# Altium PCB PCB1.PcbDoc
Units mil, origin at the board's own origin, x right, y up, seen from the top; angles counter-clockwise.
Board outline 2620 x 1745 mil, 2 copper layers (Top Layer, Bottom Layer); 36 components, 47 nets, 171 pads, 42 vias.
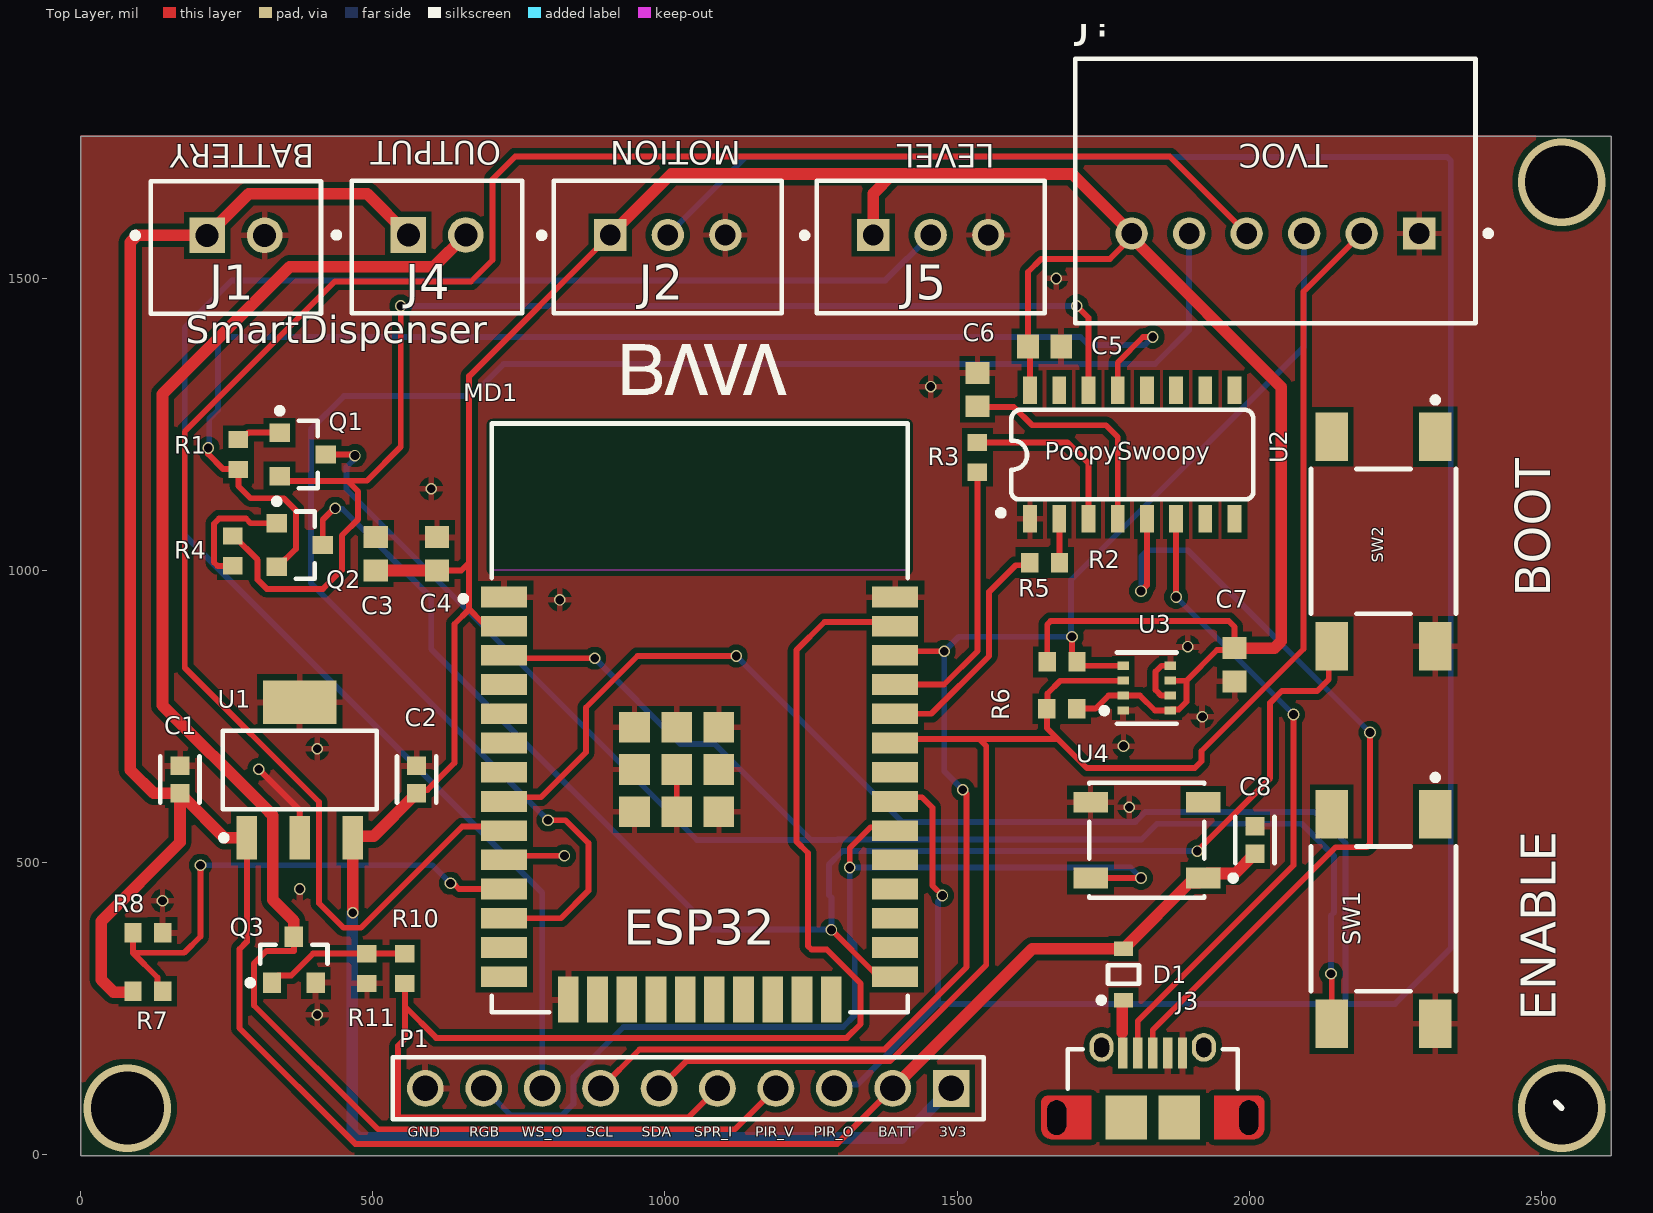
[diagram p0: Top Layer view]
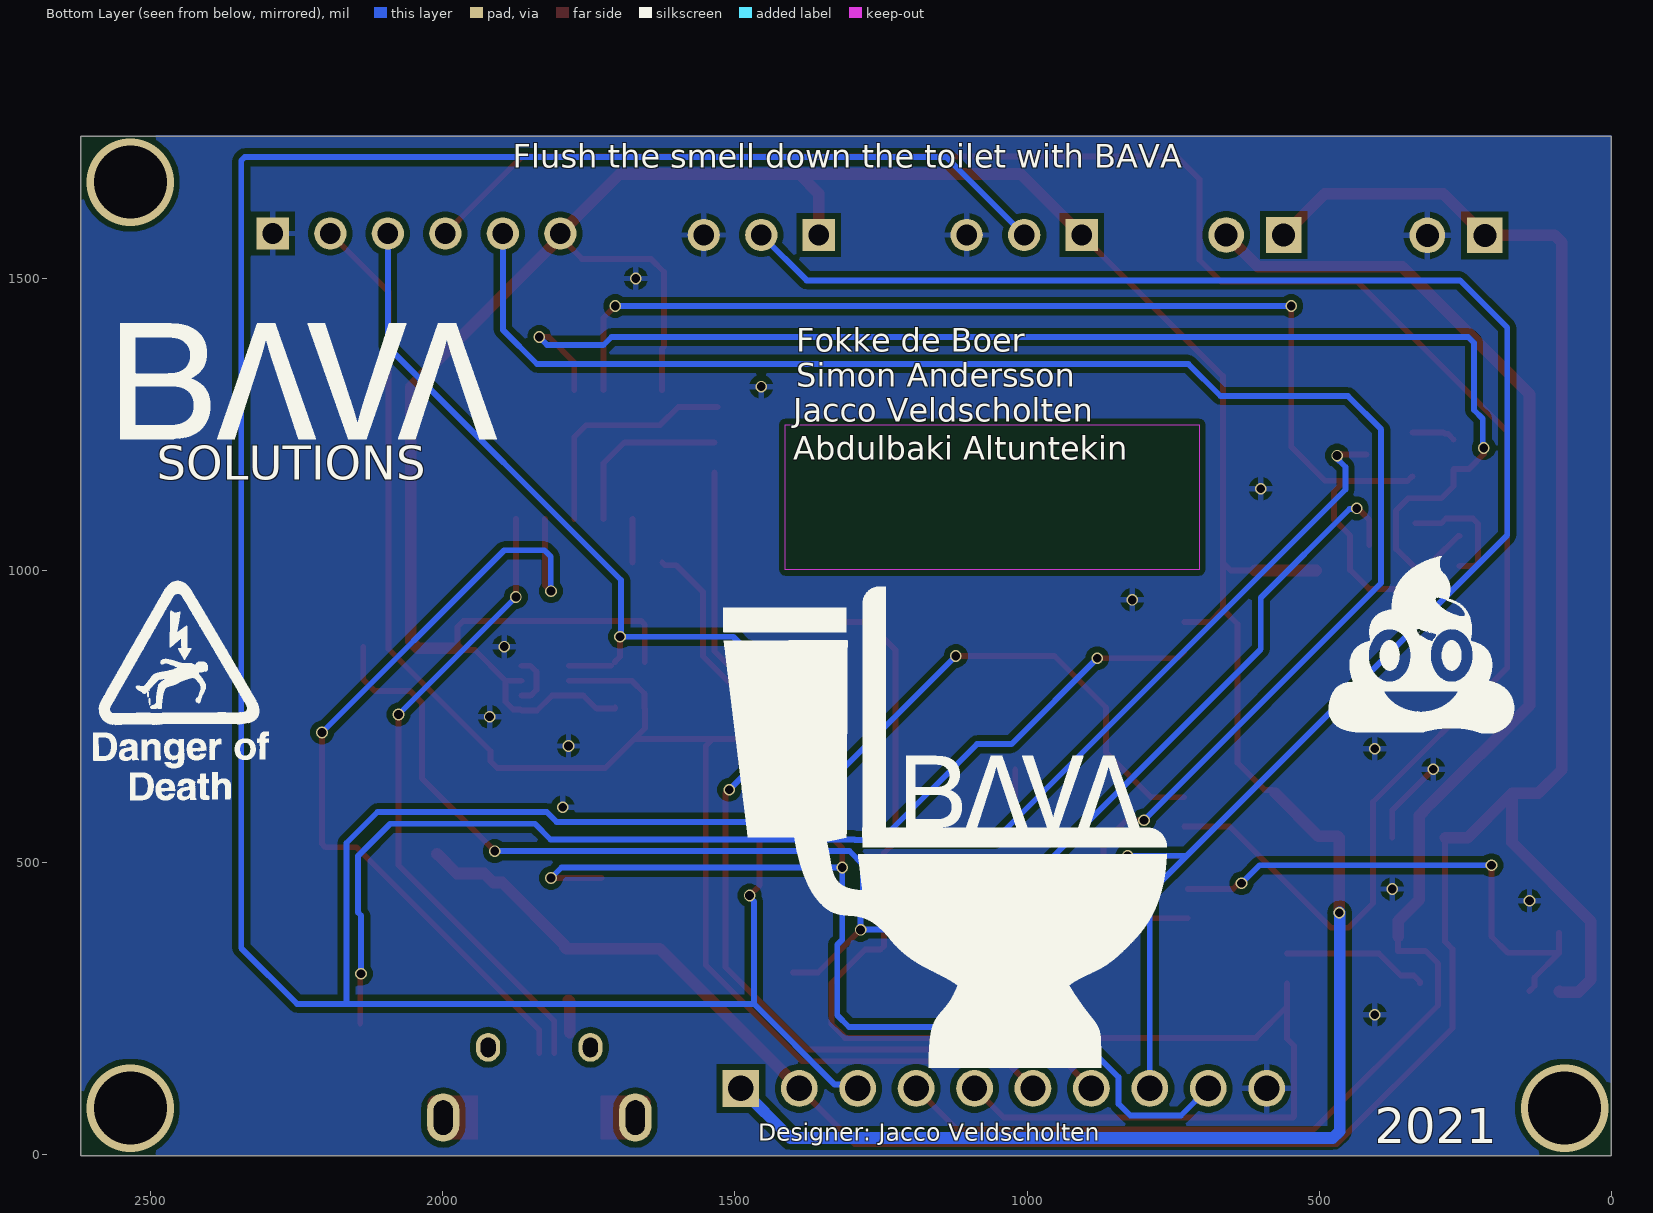
[diagram p1: Bottom Layer view, seen from below]
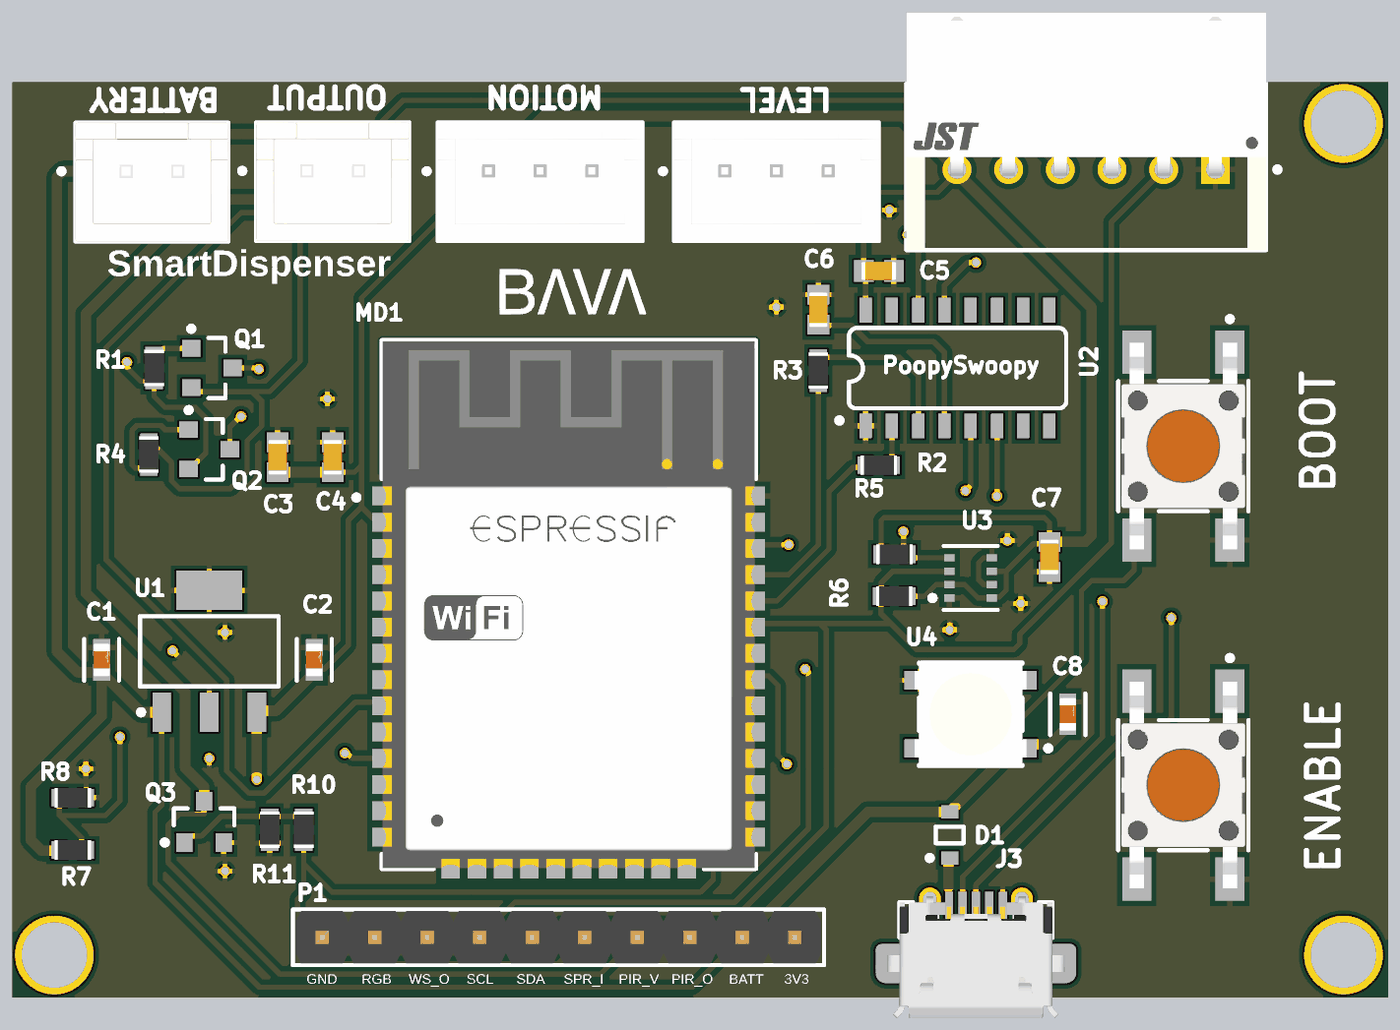
[diagram p2: 3D render of the assembled board from above, using the file's embedded part models]

## Layer stack, top to bottom
Top Solder: solder mask 0.4, Solder Resist, Dk 3.5
Top Layer: signal copper 1.4
Dielectric 1: dielectric 12.6, FR-4, Dk 4.8
Bottom Layer: signal copper 1.4
Bottom Solder: solder mask 0.4, Solder Resist, Dk 3.5

## Board outline
0,-1.14 2620,-1.14 2620,1743.86 0,1743.86

## Design rules (kind name [scope] priority, off if disabled: settings)
Clearance Clearance_1 [All] p1: gap=10 ignorepadtopadclearanceinfootprint=FALSE except(0: Arc-Hole Track-Hole SMDPad-Hole THPad-Hole Via-Hole Fill-Hole Poly-Hole Region-Hole Text-Hole)
Clearance [All] p2: gap=10 ignorepadtopadclearanceinfootprint=FALSE except(0: Arc-Hole Track-Hole SMDPad-Hole THPad-Hole Via-Hole Fill-Hole Poly-Hole Region-Hole Text-Hole)
PolygonConnect [All] p1: connectstyle=Relief reliefconductorwidth=10 reliefentries=4 polygonreliefangle="90 Angle" airgapwidth=10
RoomDefinition PCB [InComponentClass('PCB')] p1: confinementstyle=ConfineIn formatcopy=TRUE lockcomponents=FALSE outline 0,0 2450,0 2450,1745 0,1745
RoutingVias [All] p1: holewidth=28 width=50 viastyle="Through Hole" minholewidth=28 minwidth=50 maxholewidth=28 maxwidth=50
SolderMaskExpansion [All] p1: expansion=4 istentingtop=FALSE
Width [All] p1: maxlimit=30 minlimit=10 preferedwidth=10 minimp=50.000000 maximp=50.000000 favimp=50.000000
30 further rules are at their usual default settings.

## Components (designator, comment, footprint, x,y, rotation, side; value= is the part's Value field where it differs from the comment)
C1 "10uF" FP-GRM188-0_1-e0_2_0_55-IPC_C 170,642.55 r90 top
C2 "10uF" FP-GRM188-0_1-e0_2_0_55-IPC_C 575,642.55 r90 top
C3 "100nF" CAPC1608X90X35ML10T15 505,1028.86 r270 top
C4 "100nF" CAPC1608X90X35ML10T15 610,1028.86 r270 top
C5 "100nF" CAPC1608X90X35ML10T15 1650,1383.86 r180 top
C6 "100nF" CAPC1608X90X35ML10T15 1535,1310 r270 top
C7 "100nF" CAPC1608X90X35ML10T15 1975,838.86 r90 top
C8 "10uF" FP-GRM188-0_1-e0_2_0_55-IPC_C 2010,538.86 r90 top
D1 "BAT54HT1G" ONSC-SOD-323-2-477-02_V 1785,308.86 r90 top
J1 "B2B-XH-A(LF)(SN)" FP-B2B-XH-A_LF_SN-MFG 265.79,1553.19 r0 top
J2 "B3B-XH-A(LF)(SN)" FP-B3B-XH-A_LF_SN-MFG 1005,1553.86 r0 top
J3 "629105150921" 629105150921 1835,63.86 r0 top
J4 "B2B-XH-A(LF)(SN)" FP-B2B-XH-A_LF_SN-MFG 610,1553.86 r0 top
J5 "B3B-XH-A(LF)(SN)" FP-B3B-XH-A_LF_SN-MFG 1455,1553.86 r0 top
J? "S6B-XH-A-1(LF)(SN)" FP-S6B-XH-A-1_LF_SN-MFG 2045,1650 r0 top
MD1 "ESP32-WROOM-32D" FP-ESP32-WROOM-32D-MFG 1059.65,747.91 r0 top
P1 "61301011121" 61301011121 1040,113.86 r180 top
Q1 "NPN" ONSC-SOT-23-3-318-08_V 380,1198.86 r0 top
Q2 "NPN" ONSC-SOT-23-3-318-08_V 375,1043.86 r0 top
Q3 "MMBT2222ALT1G" ONSC-SOT-23-3-318-08_V 365,333.86 r90 top
R1 "10K" RESC1609X55X30LL15T15 270,1198.86 r270 top
R2 "470" RESC1609X55X30LL15T15 1650,1013.86 r180 top
R3 "470" RESC1609X55X30LL15T15 1535,1193.86 r270 top
R4 "10K" RESC1609X55X30LL15T15 260,1033.86 r90 top
R5 "10K" RESC1609X55X30LL15T15 1680,843.86 r180 top
R6 "10K" RESC1609X55X30LL15T15 1679.41,763.86 r0 top
R7 "10K" RESC1609X55X30LL15T15 115,280 r180 top
R8 "10K" RESC1609X55X30LL15T15 115,380 r0 top
R10 "1K" RESC1609X55X30LL15T15 555,318.86 r270 top
R11 "10K" RESC1609X55X30LL15T15 490,318.86 r90 top
SW1 "1571527-2" FP-1571527-2-MFG 2230,403.86 r0 top
SW2 "1571527-2" FP-1571527-2-MFG 2230,1050 r0 top
U1 "TC1262-3.3VDBTR" SOT-223-DB3_L 375,658.86 r90 top
U2 "CH340C" SO016 1800,1198.86 r0 top
U3 "BME280" FP-BME280-MFG 1825,798.86 r180 top
U4 "1655" ADA-RGB-1655_V 1825,538.86 r180 top

## Footprints (in the part's own frame and the unit in brackets; to place one, negate y for a bottom-side part, rotate by r counter-clockwise, add the part's x,y. Pads: shape width x height; smd on the part's side, far side on the other; paste and mask are expansions set on the pad)
61301011121 [mm] "Pin Header, pitch 2.54 mm, THT, Vertical, single row, 10p"
  rect 1.6x1.6 hole 1.1: 1(-11.43,0)
  round 1.6 hole 1.1: 2(-8.89,0) 3(-6.35,0) 4(-3.81,0) 5(-1.27,0) 6(1.27,0) 7(3.81,0) 8(6.35,0) 9(8.89,0) 10(11.43,0)
  silkscreen extent -12.85,-1.34 12.85,1.34, body extent -12.7,-1.27 12.7,1.27, height 8.57
629105150921 [mm] "Micro USB 2.0 Type AB Horizontal"
  rect 0.4x1.35 smd: 1(-1.3,2.805) 2(-0.65,2.805) 3(0,2.805) 4(0.65,2.805) 5(1.3,2.805)
  round 0 / inner oval 1.4x2.1 / far side oval 1.4x2.1 hole 0.825 slot 1.5 at 90 deg mask+0.102: Shell(-4.175,0)
  oval 1.05x1.25 hole 0.65 slot 0.85 at 90 deg: Shell(-2.225,3.055) Shell(2.225,3.055)
  rect 1.8x1.9 smd: Shell(-1.15,0) Shell(1.15,0)
  round 0 / inner round 0 / far side oval 1.4x2.1 hole 0.825 slot 1.5 at 90 deg mask+0.102: Shell(4.175,0)
  Top Layer region: 4.353,-0.95 4.544,-0.912 4.706,-0.804 4.814,-0.641 4.852,-0.45 4.852,-0.45 4.852,0.65 4.83,0.765 4.765,0.862 4.667,0.927 4.553,0.95 4.553,0.95 2.668,0.95 2.668,-0.95
  Top Layer region: -4.353,-0.95 -4.544,-0.912 -4.706,-0.804 -4.814,-0.641 -4.852,-0.45 -4.852,-0.45 -4.852,0.65 -4.83,0.765 -4.765,0.862 -4.667,0.927 -4.553,0.95 -4.553,0.95 -2.668,0.95 -2.668,-0.95
  silkscreen extent -3.7,1.25 3.7,2.97, body extent -4.3,-2.64 4.3,3.23, height 2.76
ADA-RGB-1655_V [mm] "SMD, 4-Leads, Body 5x5mm"
  rect 1.5x0.9 smd: 1(-2.45,1.65) 2(-2.45,-1.65) 3(2.45,-1.65) 4(2.45,1.65)
  silkscreen extent -3.88,-2.5 2.5,2.5, body extent -2.7,-2.5 2.7,2.5, height 1.68
CAPC1608X90X35ML10T15 [mm] "Chip Capacitor, 2-Leads, Body 1.7x0.9mm, IPC Low Density"
  rect 0.95x1.05 smd: 1(-0.725,0) 2(0.725,0)
  body extent -0.85,-0.45 0.85,0.45, height 0.9
FP-1571527-2-MFG [mm]
  rect 1.4x2.1 smd paste+0 mask+0: 1(2.25,4.55) 2(2.25,-4.55) 3(-2.25,4.55) 4(-2.25,-4.55)
  silkscreen extent -3.15,-3.15 3.15,6.27, body extent -3.25,-5.7 3.25,5.7, height 0.25
FP-B2B-XH-A_LF_SN-MFG [mm]
  rect 1.55x1.55 hole 1 paste-1000 mask+0: 1(-1.25,0.525)
  round 1.55 hole 1 paste-1000 mask+0: 2(1.25,0.525)
  silkscreen extent -4.5,-2.87 3.7,2.88, body extent -3.8,-2.98 3.8,2.98, height 0.25
FP-B3B-XH-A_LF_SN-MFG [mm]
  rect 1.4x1.4 hole 0.9 paste-1000 mask+0: 1(-2.5,0.525)
  round 1.4 hole 0.9 paste-1000 mask+0: 2(0,0.525) 3(2.5,0.525)
  silkscreen extent -5.61,-2.87 4.95,2.88, body extent -5.05,-2.98 5.05,2.98, height 0.25
FP-BME280-MFG [mm]
  rect 0.5x0.35 smd paste+0 mask+0: 1(1.025,0.975) 2(1.025,0.325) 3(1.025,-0.325) 4(1.025,-0.975) 5(-1.025,-0.975) 6(-1.025,-0.325) 7(-1.025,0.325) 8(-1.025,0.975)
  silkscreen extent -1.3,-1.55 1.97,1.55
FP-ESP32-WROOM-32D-MFG [mm]
  rect 2x0.9 smd paste+0 mask+0: 1(-8.5,5.26) 2(-8.5,3.99) 3(-8.5,2.72) 4(-8.5,1.45) 5(-8.5,0.18) 6(-8.5,-1.09) 7(-8.5,-2.36) 8(-8.5,-3.63) 9(-8.5,-4.9) 10(-8.5,-6.17) 11(-8.5,-7.44) 12(-8.5,-8.71) 13(-8.5,-9.98) 14(-8.5,-11.25) 25(8.5,-11.25) 26(8.5,-9.98) 27(8.5,-8.71) 28(8.5,-7.44) 29(8.5,-6.17) 30(8.5,-4.9) 31(8.5,-3.63) 32(8.5,-2.36) 33(8.5,-1.09) 34(8.5,0.18) 35(8.5,1.45) 36(8.5,2.72) 37(8.5,3.99) 38(8.5,5.26)
  rect 0.9x2 smd paste+0 mask+0: 15(-5.715,-12.25) 16(-4.445,-12.25) 17(-3.175,-12.25) 18(-1.905,-12.25) 19(-0.635,-12.25) 20(0.635,-12.25) 21(1.905,-12.25) 22(3.175,-12.25) 23(4.445,-12.25) 24(5.715,-12.25)
  rect 1.33x1.33 smd paste+0 mask+0: 39(-2.835,-4.075) 39(-2.835,-2.24) 39(-2.835,-0.405) 39(-1,-4.075) 39(-1,-2.24) 39(-1,-0.405) 39(0.835,-4.075) 39(0.835,-2.24) 39(0.835,-0.405)
  Keep-Out Layer region: -9,6.45 9,6.45 9,12.75 -9,12.75
  Keep-Out Layer region: -9,6.45 9,6.45 9,12.75 -9,12.75
  silkscreen extent -10.4,-12.8 9.05,12.8, body extent -9.6,-13.35 9.6,12.9, height 0.25
FP-GRM188-0_1-e0_2_0_55-IPC_C [mil]
  rect 31.83x31.97 smd paste+0 mask+0: 1(-23.7,0) 2(23.7,0)
  silkscreen extent -40,-33 40,33, body extent -44,-22 44,22, height 10
FP-S6B-XH-A-1_LF_SN-MFG [mm]
  rect 1.4x1.4 hole 0.9 paste-1000 mask+0: 1(6.25,-1.85)
  round 1.4 hole 0.9 paste-1000 mask+0: 2(3.75,-1.85) 3(1.25,-1.85) 4(-1.25,-1.85) 5(-3.75,-1.85) 6(-6.25,-1.85)
  silkscreen extent -8.7,-5.75 9.38,5.75, body extent -8.8,-5.85 8.8,5.85, height 0.25
ONSC-SOD-323-2-477-02_V [mm] "SOD, 2-Leads, Body 1.7x1.25mm"
  rect 0.63x0.83 smd: 1(-1.115,0) 2(1.115,0)
  silkscreen extent -1.24,-0.67 0.4,1.09, body extent -0.85,-0.63 0.85,0.63, height 1.06
ONSC-SOT-23-3-318-08_V [mm] "SOT23, 3-Leads, Body 2.92x1.3mm, Pitch 0.95mm"
  rect 0.9x0.8 smd: 1(-1,0.95) 2(-1,-0.95) 3(1,0)
  silkscreen extent -1.12,-1.46 0.65,2.02, body extent -0.65,-1.46 0.65,1.46, height 1.11
RESC1609X55X30LL15T15 [mm] "Chip Resistor, 2-Leads, Body 1.75x0.95mm, IPC High Density"
  rect 0.75x0.85 smd: 1(-0.65,0) 2(0.65,0)
  body extent -0.87,-0.48 0.87,0.48, height 0.55
SO016 [mm]
  rect 0.6x1.2 smd: 1(-4.445,-2.8) 2(-3.175,-2.8) 3(-1.905,-2.8) 4(-0.635,-2.8) 5(0.635,-2.8) 6(1.905,-2.8) 7(3.175,-2.8) 8(4.445,-2.8) 9(4.445,2.8) 10(3.175,2.8) 11(1.905,2.8) 12(0.635,2.8) 13(-0.635,2.8) 14(-1.905,2.8) 15(-3.175,2.8) 16(-4.445,2.8)
  silkscreen extent -5.84,-2.67 5.26,1.95
SOT-223-DB3_L [mm] "SOT223, 4-Leads, Body 6.5x3.5mm, Pitch 2.3mm, Lead Span 7mm, IPC High Density"
  rect 1.9x0.9 smd: 1(-2.95,2.3) 2(-2.95,0) 3(-2.95,-2.3)
  rect 1.9x3.2 smd: 4(2.95,0)
  silkscreen extent -3.07,-3.35 1.7,3.42, body extent -1.85,-3.35 1.85,3.35, height 1.8

## Part data
C1 C2 C8: library part CMP-2006-02792-2, "Chip Multilayer Ceramic Capacitors for General Purpose, 0603, 10uF, X5R, 15%, 20%, 6.3V", Case Code (Imperial)=0603, Case Code (Metric)=1608, Dielectric=X5R, Max Operating Temperature=85°C, Min Operating Temperature=-55°C, Package Quantity=4000, Tolerance=20%, Voltage=6.3V, Capacitance=10uF, Case/Package=0603, Depth=0.8mm, Height=0.8mm, Lead Free="Lead Free", Length=1.6mm, Material=Ceramic, Mount="Surface Mount", Packaging="Tape and Reel", Radiation Hardening=No, REACH SVHC="No SVHC", Termination=SMD/SMT, Thickness=0.035inch, Voltage Rating=6.3V, Voltage Rating (DC)=6.3V, Width=0.031inch
C3 C4 C5 C6 C7: library part CMP-2100-03643-1, "Chip Capacitor, 0.1 uF, +/- 10%, 50 V, -55 to 125 degC, 0603 (1608 Metric), RoHS, Tape and Reel", Case Code (Imperial)=0603, Case Code (Metric)=1608, Dielectric=X7R, Dielectric Material=Ceramic, Insulation Resistance=10GR, Manufacturer=Murata, Max Operating Temperature=125degC, Min Operating Temperature=-55degC, Package Description="2-Pin Surface Mount Device, Body 1.6 x 0.8 mm", Package Quantity=1, Tolerance=10%, Voltage=50V, Capacitance=100nF, Case/Package=0603, Contact Plating=Tin, Datasheet URL=http://psearch.en.murata.com/capacitor/product/GRM188R71H104KA93%23.pdf, Datasheet Version=42675.0, Depth=0.8mm, Height=0.8mm, Lead Free=LeadFree, Length=1.6mm, Manufacturer URL=http://www.murata.com/, Material=Ceramic, Mount=SurfaceMount, Number of Pins=2, Package Reference=0603, Packaging=TapeandReel, Radiation Hardening=No, REACH SVHC=NoSVHC, RoHSCompliant=true, Termination=SMD/SMT, Thickness=0.035inch, Voltage Rating=50V, Voltage Rating (DC)=50V, Width=0.8mm
D1: library part CMP-1055-00462-1, "Schottky Barrier Diode, 2-Pin SOD-323, Pb-Free, Tape and Reel", Manufacturer="On Semiconductor", ComponentLink1Description="Manufacturer URL", ComponentLink1URL=http://www.onsemi.com/, ComponentLink2Description=Datasheet, ComponentLink2URL=http://www.onsemi.cn/pub_link/Collateral/BAT54HT1-D.PDF, ComponentLink3Description="Package Specification", ComponentLink3URL=http://www.onsemi.com/pub_link/Collateral/477-02.PDF.1, Configuration=Single, DatasheetVersion="Rev. 6", IFSM Max (A)=0.6, Mounting Technology="Surface Mount", PackageDescription="2-Pin SOD, Body 1.7 x 1.25 mm", PackageReference=SOD-323-2-477-02, PackageVersion="Rev. H, 03/2007", Packing="Tape and Reel", PartNumber=BAT54HT1G, RoHS=TRUE, trr Max (ns)=5
J1 J4: library part CMP-2000-05888-3, "CONN HEADER VERT 2POS 2.5MM", Color=Natural, Contact Resistance=20mR, Current Rating=3A, Housing Color=White, Insulation Resistance=1GR, Max Operating Temperature=85°C, Max Voltage Rating (AC)=250V, Min Operating Temperature=-25°C, Connector Type="Male Pin", Contact Material=Brass, Contact Plating=Tin, Contact Type="Male Pin", Depth=5.75mm, Fastening Type=Detent, Housing Material=Polyamide, Lead Free="Lead Free", Lead Pitch=2.5mm, Length=7.4mm, Max Current Rating=3A, Max Voltage Rating (DC)=250V, Mount="Through Hole", Number of Contacts=2, Number of Positions=2, Number of Rows=1, Orientation=Straight, Packaging=Bulk, Pitch=2.5mm, REACH SVHC="No SVHC", Series=XH, Termination=Solder, Voltage Rating=250V, Voltage Rating (AC)=250V, Wire/Cable Gauge=22AWG
J2 J5: library part CMP-17439-000014-2, "CONN HEADER VERT 3POS 2.5MM", Color=Natural, Contact Resistance=20mR, Current Rating=3A, Flammability Rating="UL94 V-0", Housing Color=White, Insulation Resistance=1GR, Max Operating Temperature=85°C, Max Voltage Rating (AC)=250V, Min Operating Temperature=-25°C, Connector Type=Header, Contact Finish - Mating=TIN, Contact Material=Brass, Contact Plating=Tin, Contact Shape=Square, Contact Type="Male Pin", Depth=5.75mm, Fastening Type=Detent, Gender=Male, Housing Material=Polyamide, Insulation Color=Natural, Insulation Material=Nylon, Lead Free="Lead Free", Lead Pitch=2.5mm, Length=9.9mm, Max Current Rating=3A, Max Voltage Rating (DC)=250V, Mount="Through Hole", Number of Contacts=3, Number of Positions=3, Number of Rows=1, Orientation=Straight, Packaging=Bulk, Pitch=2.5mm, REACH SVHC="No SVHC", Series=XH, Termination=Solder, Voltage Rating=250V, Voltage Rating (AC)=250V, Wire/Cable Gauge=22AWG
J3: library part CMP-1502-03249-1, "Micro USB 2.0 Type AB Receptacle WR-COM, Horizontal, SMT", Contact Resistance=30mOhm, Manufacturer="Wurth Elektronik", Operating Temperature=-40to85degC, Rated Current=1.8A, Working Voltage=30VAC, Connector Type=MicroUSB2.0TypeAB, Datasheet URL=https://katalog.we-online.de/em/datasheet/629105150921.pdf, Gender=Receptacle, Manufacturer URL=http://www.we-online.de, Mounting Technology=SMT, Orientation=Horizontal, Package Reference=629105150921, Packaging=TapeandReel, Part Number=629105150921, Publisher=WurthElektronik
J?: library part CMP-17439-000023-1, "CONN HEADER R/A P6OS 2.5MM", Color=Natural, Current Rating=3A, Insulation Resistance=1GR, Max Operating Temperature=85°C, Min Operating Temperature=-25°C, Voltage Rating=250V, Contact Material=Brass, Contact Plating=Tin, Gender=Male, Lead Free="Lead Free", Material=Polyamide, Mount="Through Hole", Number of Positions=6, Number of Rows=1, Pitch=2.5mm, Termination=Crimp
MD1: library part CMP-194065-000003-1, "WIFI MODULE 32MBITS SPI FLASH", Manufacturer="Espressif Systems", Max Frequency=2484MHz, Max Supply Voltage=3.6V, Min Supply Voltage=3V, Nominal Supply Current=500mA, Temperature="-40°C to +85°C", Temperature Range High=+85°C, Temperature Range Low=-40°C, Automotive=No, Bandwidth=72MHz, Category=UNK, ComponentLink2Description=Datasheet, ComponentLink2URL=https://www.espressif.com/sites/default/files/documentation/esp32-wroom-32d_esp32-wroom-32u_datasheet_en.pdf, Data Rate=150Mbits/s, Device Class L1="Integrated Circuits (ICs)", Device Class L2="RF Semiconductors and Devices", Device Class L3=Transceivers, Digikey Description="WIFI MODULE 32MBITS SPI FLASH", Height=3.2mm, Interface=I2C,SPI,UART,Ethernet,I2S,Other, Lead Free=Yes, Manufacturer Part Number=ESP32-WROOM-32D, Mouser Description="Wi-Fi/BT BLE Module ESP32-D0WD, SPI Flash, UART, P", Number Of Adc Channels=16, Number Of Gpio=32, Octopart=https://octopart.com/esp32-wroom-32d-espressif+systems-91040050, Package=ESP32-WROOM-32D, RoHS=TRUE, Sensitivity=-98dBm
P1: library part CMP-1502-01082-1, "THT Vertical Pin Header WR-PHD, Pitch 2.54 mm, Single Row, 10 pins", Contact Resistance=20mOhm, Manufacturer="Wurth Elektronik", Operating Temperature=-40to105degC, Rated Current=3A, Withstanding Voltage=500VAC, Working Voltage=250VAC, Datasheet URL=https://katalog.we-online.de/em/datasheet/6130xx11121.pdf, Gender=Male, Manufacturer URL=http://www.we-online.de, Mounting Technology=THT, Orientation=Vertical, Package Reference=61301011121, Packaging=Bag, Part Number=61301011121, Pin Number=10, Pitch=2.54mm, Publisher=WurthElektronik, Row Number=Single
Q1 Q2: library part CMP-1048-00662-1, "High Voltage Transistor, NPN Silicon, 3-Pin SOT-23, Pb-Free, Tape and Reel", Manufacturer="On Semiconductor", PartNumber=MMBTA42LT1G, ComponentLink1Description="Manufacturer URL", ComponentLink1URL=http://www.onsemi.com/, ComponentLink2Description=Datasheet, ComponentLink2URL=http://www.onsemi.cn/pub_link/Collateral/MMBTA42LT1-D.PDF, ComponentLink3Description="Package Specification", ComponentLink3URL=http://www.onsemi.cn/pub_link/Collateral/318-08.PDF, DatasheetVersion="Rev. 12", fT Min (MHz)=50, IC Continuous (A)=0.5, Mounting Technology="Surface Mount", PackageDescription="3-Pin Small Outline Transistor, Body 2.92 x 1.3 mm, Pitch 0.95 mm", PackageReference=SOT-23-3-318-08, PackageVersion="Rev. AP, 11/2009", Packing="Tape and Reel", Polarity=NPN, RoHS=TRUE
Q3: library part CMP-1048-00538-1, "General Purpose Transistor, NPN Silicon, 3-Pin SOT-23, Pb-Free, Tape and Reel", Manufacturer="On Semiconductor", ComponentLink1Description="Manufacturer URL", ComponentLink1URL=http://www.onsemi.com/, ComponentLink2Description=Datasheet, ComponentLink2URL=http://www.onsemi.cn/pub_link/Collateral/MMBT2222LT1-D.PDF, ComponentLink3Description="Package Specification", ComponentLink3URL=http://www.onsemi.cn/pub_link/Collateral/318-08.PDF, DatasheetVersion="Rev. 10", fT Min (MHz)=300, IC Continuous (A)=0.6, Mounting Technology="Surface Mount", PackageDescription="3-Pin Small Outline Transistor, Body 2.92 x 1.3 mm, Pitch 0.95 mm", PackageReference=SOT-23-3-318-08, PackageVersion="Rev. AP, 11/2009", Packing="Tape and Reel", PartNumber=MMBT2222ALT1G, Polarity=NPN, RoHS=TRUE
R1 R2 R3 R4 R5 R6 R7 R8 R10 R11: library part CMP-1012-00623-3, "Chip Resistor, 10 KOhm, +/- 1%, 0.1 W, -55 to 155 degC, 0603 (1608 Metric), RoHS, Tape and Reel", Case Code (Imperial)=0603, Case Code (Metric)=1608, Manufacturer=Panasonic, Max Operating Temperature=155degC, Max Power Dissipation=100mW, Min Operating Temperature=-55degC, Package Description="2-Pin Surface Mount Device, Body 1.6 x 0.85 mm", Package Quantity=1, Package Reference=603, Resistance=10KOhm, Temperature Coefficient=100ppm\/degreesC, Tolerance=1%, Voltage Rating=75V, Case\/Package=0603, Composition=ThickFilm, Contact Plating=Tin, Datasheet URL=https://industrial.panasonic.com/cdbs/www-data/pdf/RDA0000/AOA0000C304.pdf, Datasheet Version=02/2017, Depth=0.8mm, Height=0.45mm, Lead Free=LeadFree, Length=1.6mm, Manufacturer URL=http://www.panasonic.com/, Military Standard=Not, Mount=SurfaceMount, Mounting Technology=SurfaceMount, Number of Pins=2, Number of Terminations=2, Packaging=TapeandReel, Power Rating=100mW, Radiation Hardening=No, REACH SVHC=NoSVHC, RoHSCompliant=true, Termination=SMD/SMT, Voltage Rating (DC)=75V, Width=0.031inch
SW1 SW2: library part CMP-03402-000033-1, "SWITCH TACTILE SPST-NO 0.05A 24V", Case/Package=SMD/SMT, Current Rating=50mA, Max Operating Temperature=85°C, Min Operating Temperature=-35°C, Operating Force=100gf, Package Quantity=1, Voltage Rating (DC)=24V, Actuator Length=0.7mm, Actuator Material=Polyphenylene, Actuator Type=Standard, Contact Material="Copper Alloy", Contact Plating=Silver, Depth=10mm, ELV=Compliant, Height=4.3mm, Illumination Type=Non-Illuminated, Length=6mm, Material=Polyamide, Max Current Rating=50mA, Mechanical Life=200000Cycles, Mount="Surface Mount", Orientation=Straight, Packaging="Tape and Reel", REACH SVHC="No SVHC", RoHS Compliant=Yes, Series="FSMJSML, Alcoswitch", Switch Function=Off-Mom, Switch Travel=0.25mm, Termination="Gull Wing", Throw Configuration=SPST, Type=Switch
U1: library part CMP-0136-00481-1, "500mA Fixed Output CMOS LDO, 3-Pin SOT-223, Extended Temperature, Tape and Reel", DatasheetVersion="revB, 2002", PackageDescription="3-Lead Plastic Small Outline Transistor (DB) [SOT-223]", PackageReference=SOT-223-DB3, PackageVersion="revBB, Aug-2009"
U2: "USB to serial chip CH340", Package=Package, Availability=Unavailable, Check_prices=https://www.snapeda.com/parts/CH340C/WCH/view-part/5428851/?ref=eda, MF=WCH, MP=CH340C, Price=None, SnapEDA_Link=https://www.snapeda.com/parts/CH340C/WCH/view-part/5428851/?ref=snap
U3: library part CMP-2000-05073-3, "SENSOR PRESSURE HUMIDITY TEMP", Case/Package=LGA, Max Operating Temperature=85°C, Min Operating Temperature=-40°C, Accuracy=3%, Lead Free="Lead Free", Mount="Surface Mount", Number of Pins=8, Output Type=SPI, Packaging="Cut Tape", Response Time=1s, Sensor Type=Temperature
U4: library part CMP-2000-05026-1, "Intelligent Control LED Integrated Light Source, 3.5 to 5.3 V, -25 to 80 degC, 4-Pin SMD, RoHS, Tape and Reel", Color=Red,Green,Blue(RGB), Manufacturer=Adafruit-Industries-LLC, Package Description="4-Pin Surface Mount Device, Body 5 x 5 mm", Category=Optoelectronics, Configuration=Discrete, Controller Type=-, Datasheet URL=http://datasheet.octopart.com/ADA1655-Adafruit-Industries-datasheet-32028139.pdf, Datasheet Version=May-13, Family=Addressable,Specialty, Interface=-, Manufacturer URL=https://www.adafruit.com/, Mounting Type=SurfaceMount, Number of LEDs=10, Package Reference=1655, Series=Neopixel, Size / Dimension=5.00mmLx5.00mmW, Utilized LED=WS2812(5050)

## Via types
v1: diameter 20, hole 15, Top Layer to Bottom Layer, 39 vias
v2: diameter 150, hole 125, Top Layer to Bottom Layer, 3 vias

## Nets (pads, with @x,y where several pads share a name; then routed paths per layer and width w, separated by ;. In a path a pad name is that pad's centre, name@x,y a point inside that pad or via, vN(x,y) a via of type N, cw(c..) or ccw(c..) an arc to the next point about the centre after c; other vN are vias at no path point)
+3.3V: C2.1 C3.2 C4.2 C5.2 C7.2 J2.1 J5.1 J?.6 MD1.2 P1.1 R5.2 R6.2 U1.3 U2.16 U3.2 U3.6 U3.8 | length 6246.9
  Top Layer w10: C2.1 580.91,624.77 593.71,624.77 640,671.06 640,908.86 665,933.86 ; C4.2 651.46,1000.31 665,1013.86 ; MD1.2@731.17,912.13 686.73,912.13 665,933.86 ; J2.1 665,1332.95 665,1013.86 ; U2.16 1625,1380.31 C5.2 1621.46,1511.06 1644.13,1533.73 1761.71,1533.73 J?.6@1798.6,1570.61 ; R5.2 1654.41,908 1660.27,913.86 1965,913.86 1975,903.86 C7.2 1971.65,864.05 1945.19,864.05 1892.8,811.65 ; R6.2@1705,765.83 R6.2 1737.13,763.86 1759.33,786.06 U3.2 1813.15,786.06 1838.74,760.47 U3.8 1867.24,762.36 1879.6,762.36 1892.8,775.56 1892.8,811.65 ; U3.6 1892.8,811.65 ; 665,933.86 665,1013.86
  Top Layer w20: v1(465.55,414.41) U1.3 468.32,545.48 501.55,545.48 574.93,618.86 C2.1 ; C3.2 C4.2 ; J2.1 1010.91,1678.86 1390,1678.86 ; J5.1 1356.57,1645.43 1390,1678.86 ; J?.6@1798.6,1570.61 2055,1314.21 2055,879.12 2043.28,867.4 C7.2 ; J?.6 1697.24,1678.86 1390,1678.86
  Bottom Layer w20: v1(465.55,414.41) 465,415 465,40.57 476.72,28.86 1405,28.86 P1.1
BATT_DIFF: MD1.11 R7.1 R8.1 | length 907.3
  Top Layer w10: R8.1 89.41,345.99 ; R7.1 131.64,288.95 131.64,303.76 89.41,345.99 ; v1(205,495.86) 205,373.86 177.13,345.99 89.41,345.99 ; v1(633.08,465) 637.71,465 647.71,455 MD1.11
  Bottom Layer w10: v1(205,495.86) 602.22,495.86 v1(633.08,465)
BATT_VIN: C1.1 C8.1 D1.2 J1.1 J4.1 P1.2 R7.2 U1.1 U4.1 | length 4487.8
  Top Layer w10: U1.1 284.45,364.81 271.85,352.21 271.85,217.01 470,18.86 1295,18.86 P1.2
  Top Layer w20: R7.2 88.05,278.64 56.36,278.64 35,300 35,400 170,535 C1.1 ; U1.1 246.14,542.72 175.99,612.87 175.99,612.94 170.07,618.86 C1.1 ; J4.1 490.32,1645 287.72,1645 J1.1 96.72,1573.86 85,1562.14 85,658.86 125,618.86 C1.1 ; P1.2 1628.9,352.76 D1.2 1788.94,352.76 1791.34,355.16 1791.34,359.09 1898.43,466.18 1913.74,466.18 U4.1 1929.17,481.61 1976.38,481.61 2009.93,515.16 C8.1
CLK: MD1.20
CMD: MD1.19
D+: J3.3 U2.5 | length 1446
  Top Layer w10: v1(1815,965) 1825,975 U2.5 ; J3.3 1835,213.86 2147.8,526.65 2201.14,526.65 2207,532.51 v1(2207,722.86)
  Bottom Layer w10: v1(1815,965) 1815.46,967.77 1815.46,1024.13 1826.2,1034.86 1895,1034.86 v1(2207,722.86)
D-: J3.2 U2.6 | length 1108
  Top Layer w10: J3.2 1809.41,229.27 2076,495.86 v1(2076,753.86) ; v1(1875,954.86) U2.6
  Bottom Layer w10: v1(1875,954.86) v1(2076,753.86)
DIFFUSER_OUT: J4.2 P1.4 Q3.3 | length 2837.6
  Top Layer w10: Q3.3 365,348.86 317.85,348.86 296.85,327.86 296.85,255.86 508.85,43.86 1120,43.86 P1.4
  Top Layer w20: Q3.3 365,400.86 329,436.86 329,580.86 322.16,587.69 322.16,588.4 310.45,600.12 309.74,600.12 140,769.86 140,1301.86 358.14,1520 604.68,1520 J4.2
DTR: Q2.2 R1.2 U2.13 | length 2258.4
  Top Layer w10: v1(218.27,1210) 218.27,1199.58 244.13,1173.72 269.55,1173.72 R1.2 270,1144.72 290.75,1123.97 347.6,1123.97 368.35,1103.22 368.35,1037.2 337.6,1006.46 Q2.2 ; U2.13 1775,1356.36 1818.5,1399.86 v1(1835,1399.86)
  Bottom Layer w10: v1@220.18,1208.09 v1(218.27,1210) 220,1215 220,1260 235,1275 235,1390 244.86,1399.86 1711.5,1399.86 1725,1386.36 1821.5,1386.36 v1(1835,1399.86)
EN: MD1.3 Q1.3 SW1.4 | length 3032.7
  Top Layer w10: Q1.3 466.31,1198.86 v1@472.5,1195.02 ; MD1.3@731.17,862.13 743.3,850 v1(880,850) ; v1(2140,310) 2141.42,306.08 SW1.4
  Bottom Layer w10: v1@472.5,1195.02 455,1177.52 455,1138.86 1055,538.86 1250,538.86 ; v1(880,850) 1026.9,703.1 1085.76,703.1 1250,538.86 ; v1(2140,310) 2140,409.78 2145,414.78 2145,511.86 2090,566.86 1842.46,566.86 1815.61,540 1295.84,540 1294.69,538.86 1250,538.86
  other v1: 469.41,1196.94
GND: C1.2 C2.2 C3.1 C4.1 C5.1 C6.1 C7.1 C8.2 J1.2 J2.3 J3.4 J3.5 J5.3 J?.1 MD1.1 MD1.15 MD1.38 MD1.39 P1.10 Q3.2 R8.2 R11.1 SW1.2 SW2.2 U1.2 U1.4 U2.1 U3.1 U3.5 U3.7 U4.3 | length 308.8
  Top Layer w10: v1(305,660) 375,590 U1.2 ; MD1.39@1020.28,587.48 MD1.39@1020.28,659.72 ; U3.7 1849.8,786.06 1840,795.86 1840,827.24 1850,837.24 U3.5
  other v1: 405,240 140,435 375,455 1795,595 405,695 1785,700 1920,750 1895,870 820,950 600,1140 1455,1315 1670,1500
IO0: MD1.25 Q2.3 SW2.4 | length 2650.3
  Top Layer w10: Q2.3 414.37,1087.04 434.81,1107.48 v1@436.63,1105.66 ; v1(1285,385.16) 1358.03,312.13 MD1.25@1400.46,312.13 ; v1(1911.14,520) 2036,644.86 2036,773.86 2056,793.86 2116.42,793.86 2136.42,813.86 SW2.4@2136.42,869.72
  Bottom Layer w10: v1@436.63,1105.66 448.35,1105.66 600.15,953.86 600.15,865.71 1080,385.86 v1@1285,385.86 ; v1(1285,385.16) v1@1285,385.86 ; v1(1911.14,520) 1304.12,520 1280.69,496.57 1280.69,444.82 1285,440.51 v1@1285,385.86
  other v1: 435.72,1106.57
IO2: MD1.24
IO4: MD1.26
IO5: MD1.29
IO12: MD1.14
IO13: MD1.16
IO14: MD1.13
IO15: MD1.23
IO16: MD1.27
IO17: MD1.28
IO34: MD1.6
IO35: MD1.7
NetC6_2: C6.2 U2.4 | length 406.5
  Top Layer w10: C6.2@1530,1280.31 1597.13,1280.31 1628.59,1248.86 1755,1248.86 1775,1228.86 U2.4
NetQ1_1: Q1.1 R1.1 | length 75.5
  Top Layer w10: R1.1 279.76,1234.21 285.54,1234.21 287.59,1236.26 Q1.1
NetQ2_1: Q2.1 R4.1 | length 214.8
  Top Layer w10: R4.1 234.13,1008.27 228.27,1014.13 228.27,1080.43 237.05,1089.21 282.95,1089.21 290.9,1081.26 Q2.1
NetQ3_1: Q3.1 R10.1 R11.2 | length 249.2
  Top Layer w10: Q3.1 327.6,296.46 338.35,307.2 360.44,307.2 397.68,344.45 R11.2 R10.1
NetR2_1: R2.1 U2.2 | length 75
  Top Layer w10: U2.2 1675.3,1088.33 1675.3,1014.15 R2.1
NetR3_1: R3.1 U2.3 | length 300
  Top Layer w10: R3.1 1689.41,1219.45 1725,1183.86 U2.3
PIR_OUT: J2.2 MD1.8 MD1.31 P1.3 | length 6311.7
  Top Layer w10: MD1.8@731.17,612.13 788,612.13 865,689.13 865,765.86 953,853.86 v1(1122,853.86) ; MD1.31@1400.46,612.13 1440,612.13 1458,594.13 1458,460.86 v1(1475,443.86)
  Bottom Layer w10: J2.2 1138.33,1707.86 2339.14,1707.86 2345,1702 2345,353.86 2249.62,258.48 2165,258.48 ; v1(1122,853.86) 1405.86,570 1805.36,570 1822.21,586.86 2112,586.86 2165,533.86 2165,258.48 ; P1.3 1296.38,120.24 1329.38,120.24 1467.62,258.48 ; v1(1475,443.86) 1475,441.15 1467.62,433.77 1467.62,258.48 ; 1467.62,258.48 2165,258.48
RGB_LED: MD1.30 P1.9 U4.4 | length 1733.7
  Top Layer w10: v1(1316.51,491.81) 1316.51,525.37 1351.95,560.81 1399.13,560.81 MD1.30@1400.46,562.13 ; U4.4 v1(1815,473.86) v1(1815,473.86)
  Bottom Layer w10: P1.9 736.5,67.36 823.5,67.36 843.5,87.36 843.5,133.12 929.24,218.86 1305,218.86 1325,238.86 1325,359.64 1316.51,368.12 v1(1316.51,491.81) 1797.05,491.81 v1(1815,473.86)
RTS: Q1.2 R4.2 U2.14 | length 2213.9
  Top Layer w10: R4.2 261.97,1059.45 302.91,1018.5 302.91,984.5 318.55,968.86 415,968.86 447.09,1000.94 447.09,1060.07 475,1087.99 475,1135.58 457.24,1153.34 348.75,1153.34 Q1.2 ; 457.24,1153.86 490,1153.86 548,1211.86 v1(548,1452.86) ; v1(1705,1452.86) 1725,1432.86 U2.14
  Bottom Layer w10: v1(548,1452.86) v1(1705,1452.86)
RXD0: MD1.34 R2.2 | length 401.7
  Top Layer w10: MD1.34 1455.99,755 1555,854.01 1555,963.86 1600.5,1009.36 1619.91,1009.36 R2.2
SCL: J?.3 MD1.36 P1.7 R5.1 U3.4 | length 2548.4
  Top Layer w10: P1.7 956.5,180.35 1375.35,180.35 1516.41,321.41 1516.41,618.59 v1(1510,625) ; MD1.36@1400.46,862.13 v1(1478.27,862.13) ; v1(1696.91,886.94) 1696.91,852.53 R5.1 ; R5.1@1712.2,837.24 U3.4
  Bottom Layer w10: v1(1510,625) 1478.27,656.73 v1(1478.27,862.13) 1503.09,886.94 v1(1696.91,886.94) ; v1@1695,888.86 1695,983.86 2094.21,1383.07 J?.3
SD0: MD1.21
SD1: MD1.22
SD2: MD1.17
SD3: MD1.18
SDA: J?.2 MD1.33 P1.6 R6.1 U3.3 | length 2822
  Top Layer w10: P1.6 1036.5,160.35 1385.35,160.35 1550,325 1550,700 1537.87,712.13 ; MD1.33@1400.46,712.13 1537.87,712.13 ; 1669.74,712.13 1537.87,712.13 ; U3.3 1676.65,811.65 1654.73,789.73 1654.73,764.77 R6.1 1653.82,730.68 1722.25,662.25 1906.92,662.25 1918.53,673.86 1918.53,691.39 2093,865.86 2093,1477.53 J?.2
SENSOR_VN: MD1.5
SENSOR_VP: MD1.4
SPRAY_IN: MD1.37 P1.5 R10.2 | length 2509.2
  Top Layer w10: R10.2 555,253.86 ; P1.5 1040,63.86 545,63.86 543.06,65.8 543.06,186.91 555,198.86 555,253.86 ; MD1.37@1400.46,912.13 1273.27,912.13 1225,863.86 1225,536.86 1245,516.86 1245,357.29 1250.86,351.43 1277.14,351.43 1335,293.58 1335,223.86 1311.5,200.35 608.5,200.35 555,253.86
TVOC_INT: J?.4 MD1.9 | length 3462.7
  Top Layer w10: MD1.9@731.17,562.13 653.27,562.13 480,388.86 450,388.86 408,430.86 408,603.86 178.27,833.59 178.27,1238.13 435.14,1495 668.14,1495 705,1531.86 705,1669.86 744,1708.86 1864.1,1708.86 J?.4
TVOC_WAKE: J?.5 MD1.12 | length 2906.4
  Top Layer w10: MD1.12 822,405 869,452 869,533.86 830,572.86 v1(800,572.86)
  Bottom Layer w10: v1(800,572.86) 394,978.86 394,1241.86 451,1298.86 669,1298.86 724,1353.86 1838.86,1353.86 1897.36,1412.36 J?.5
TXD0: MD1.35 R3.2 | length 470.4
  Top Layer w10: MD1.35 1477.71,805 1535,862.29 R3.2
USB_VIN: D1.1 J3.1 | length 57.1
  Top Layer w20: 1782.69,208.86 1782.69,262.65 D1.1
WATERSENSOR_OUT: J5.2 MD1.10 P1.8 | length 3096.1
  Top Layer w10: MD1.10@731.17,512.13 v1(828,512.13)
  Bottom Layer w10: P1.8 790,448.86 726.73,512.13 ; v1(828,512.13) 726.73,512.13 ; J5.2 1377.33,1496.86 259,1496.86 178.27,1416.13 178.27,1060.59 726.73,512.13
pads on no net: J3.Shell MD1.32 SW1.1 SW1.3 SW2.1 SW2.3 U2.7 U2.8 U2.9 U2.10 U2.11 U2.12 U2.15 U4.2
copper on no net:
  other v2: 80,80 2535,80 2535,1665

## Polygon pours and split planes (outlines as drawn)
GND on Bottom Layer "GND_L02_P003" (solid, pour order 3): 0,1745 2620,1745 2620,0 0,0
GND on Top Layer "GND_L01_P004" (solid, pour order 4): 0,1745 2620,1745 2620,-1.14 0,-1.14

## Silkscreen, mask and mechanical layers (free items; w line width, h text height)
Top Overlay:
  drawing of 5 lines, arcs and shapes, not listed
  text "OUTPUT" at 720,1735 h40 r180
  text "MOTION" at 1130,1735 h40 r180
  text "BATTERY" at 400,1730 h40 r180
  text "LEVEL" at 1565,1730 h40 r180
  text "TVOC" at 2135,1730 h40 r180
  text "SmartDispenser" at 180,1374.21 h80
  text "PoopySwoopy" at 1650,1190 h30
  text "BOOT" at 2515,955 h60 r90
  text "ESP32" at 930,360 h60
  text "ENABLE" at 2525,230 h60 r90
  text "GND" at 560,25.33 h30
  text "RGB" at 665,25.33 h30
  text "WS_O" at 755,25.32 h30
  text "SCL" at 865,25.33 h30
  text "SDA" at 960,25.33 h30
  text "SPR_I" at 1050,25.32 h30
  text "PIR_V" at 1155,25.32 h30
  text "PIR_O" at 1255,25.32 h30
  text "BATT" at 1365,25 h30
  text "3V3" at 1470,25.33 h30
Bottom Overlay:
  drawing of 35 lines, arcs and shapes, not listed
  text "Flush the smell down the toilet with BAVA" at 1880,1690 h40
  text "Fokke de Boer" at 1395,1375 h40
  text "Simon Andersson" at 1395,1315 h40
  text "Jacco Veldscholten" at 1400,1255 h40
  text "Abdulbaki Altuntekin" at 1400,1190 h40
  text "SOLUTIONS" at 2490,1136.11 h100
  text "2021" at 405,20 h60
  text "Designer: Jacco Veldscholten" at 1460,14.38 h50

## Text inside footprints (layer, text, board x,y; h text height)
J3: Top 3D Body "PCB Edge" at 1791.69,-14.88 h16